# Altium PCB spin5v1_simple.PcbDoc (part 10 of 25) (continued)
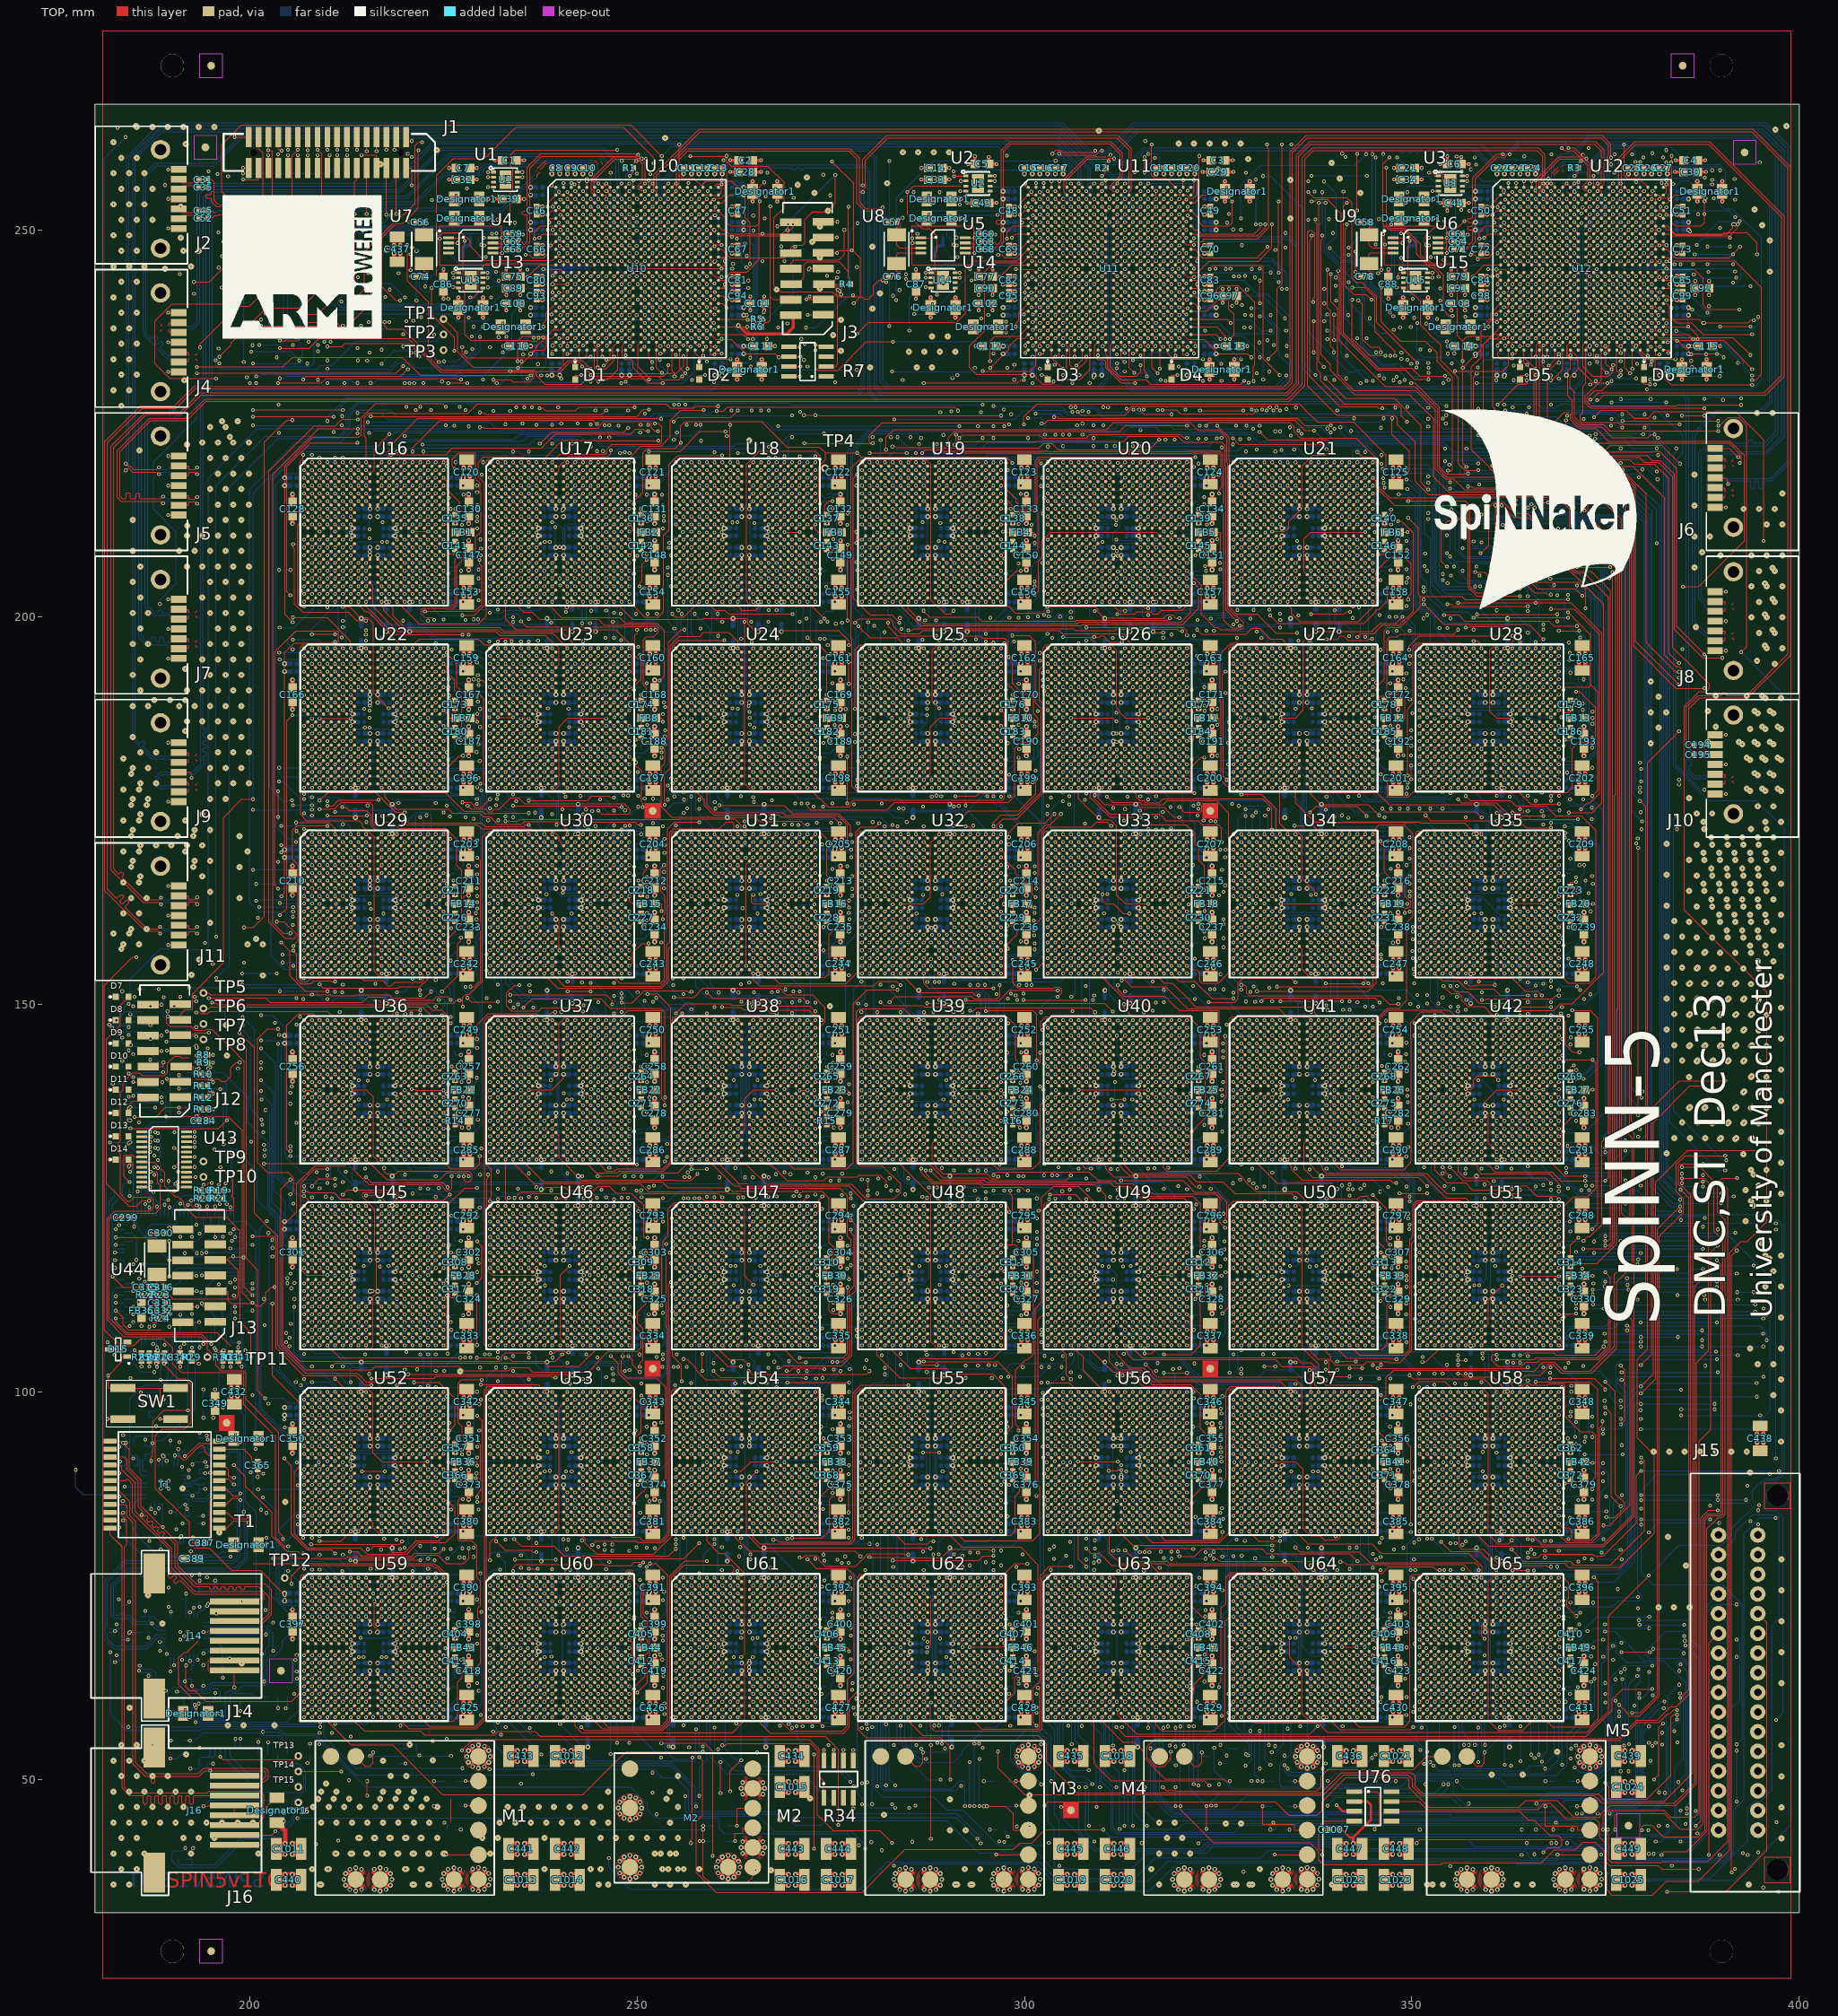
[diagram p0: TOP view]
## Nets (pads, with @x,y where several pads share a name; then routed paths per layer and width w, separated by ;. In a path a pad name is that pad's centre, name@x,y a point inside that pad or via, vN(x,y) a via of type N, cw(c..) or ccw(c..) an arc to the next point about the centre after c; other vN are vias at no path point) (continued)
  other v1: 318,83
S17_L1<7>: U56.T15 U57.C7
  other v1: 318,84 321.607,89.043 325.386,94.501 333,98
S17_L1<8>: U56.R13 U57.D5 | length 12.3
  BOTTOM w0.127: v1(316,85) 316.431,84.569 316.431,81.911 317.511,80.831 322.94,80.831 v1(324.435,79.336)
  other v1: 323.578,95.975 331,97
S17_L1<9>: U56.V12 U57.A3 | length 33.8
  TOP w0.127: v1(315,82) 316.47,80.53 325.172,80.53 326.569,81.927 326.569,100.232 326.768,100.431 328.569,100.431 v1(329,100)
S17_L1<10>: U56.U12 U57.A4
  other v1: 315,83 330,100
S17_L1<11>: U56.T12 U57.B4
  other v1: 328.464,80.78 315,84 330,99
S17_L1<12>: U56.R12 U57.C4
  other v1: 315,85 315,90.931 330,98
S17_L1<13>: U56.V13 U57.A5 | length 10
  TOP w0.127: v1(312.67,102.158) 313.834,102.158 315.307,100.685 321.093,100.685 v1(321.8,99.978)
  other v1: 316,82 331,100
S17_L1<14>: U56.U13 U57.B5 | length 11
  BOTTOM w0.127: v1(312.5,90.527) 312.299,90.527 312.059,90.287 312.059,87.246 312.362,86.943 312.362,84.003 312.934,83.431 315.569,83.431 v1(316,83)
  other v1: 331,99
S17_L1<15>: U56.T13 U57.C5 | length 7.8
  BOTTOM w0.127: v1(313.145,89.744) 314,89.744 314.508,89.236 314.508,84.876 314.953,84.431 315.569,84.431 v1(316,84)
  other v1: 331,98
S17_L2<0>: U49.R5 U56.R16 | length 32.9
  BOTTOM w0.127: 307,109 307.569,108.431 308.232,108.431 308.431,108.232 308.431,104.073 309.384,103.12 315.51,103.12 318.431,100.199 318.431,85.569 v1(319,85)
  other v1: 319,84
S17_L2<1>: U49.V3 U56.N15 | length 4.8
  TOP w0.127: v1(305,106) 305,105.25 305.431,104.819 305.431,102.2 v1(306,101.631)
  other v1: 318,87 312.507,89.313
S17_L2<2>: U49.V4 U56.N16 | length 9.5
  TOP w0.127: v1(306,106) 306.458,105.542 306.52,105.542 307.6,104.462 307.6,102.781 309.95,100.431 311.636,100.431 v1(312.067,100)
  other v1: 319,87
S17_L2<3>: U49.U4 U56.N17
  other v1: 320,87 306,107
S17_L2<4>: U49.T4 U56.N18
  other v1: 321,87 306,108
S17_L2<5>: U49.V5 U56.P16 | length 27.2
  BOTTOM w0.127: v1(307,106) 307,103.215 307.826,102.389 307.845,102.389 309.803,100.431 316.232,100.431 316.431,100.232 316.431,90.881 316.05,90.5 314.768,90.5 314.569,90.699 314.569,91.988 314.315,92.242 v1(313.715,92.242)
  other v1: 319,86
S17_L2<6>: U49.U5 U56.P17 | length 5.2
  TOP w0.127: v1(306.916,90.996) v1(312.07,90.996)
  other v1: 320,86 307,107
S17_L2<7>: U49.T5 U56.P18
  other v1: 321,86 307,108
S17_L2<8>: U49.R7 U56.V18
  other v1: 321,82 309,109
S17_L2<9>: U49.V6 U56.R17 | length 25.9
  TOP w0.127: v1(308,106) 311.411,102.589 314.861,102.589 315.75,101.7 315.75,101.638 316.449,100.939 321.47,100.939 322.74,99.669 322.74,95.244 323.366,94.618 323.366,94.388 323.684,94.07 324.707,94.07 325.342,93.435 v1(325.342,92.821)
  other v1: 320,85 308,108 307,109
S17_L2<10>: U49.U6 U56.R18
  other v1: 321,85 321.2,90.931 318,91.067 312.071,93 308,107
S17_L2<11>: U49.T6 U56.T16 | length 32.5
  BOTTOM w0.127: 308,108 307.568,107.568 307.568,104.517 309.219,102.866 314.741,102.866 315.418,102.189 315.462,102.189 317.431,100.22 317.431,84.939 317.939,84.431 318.569,84.431 319,84
S17_L2<12>: U49.R6 U56.T17
  other v1: 319.8,79.384 309.083,79.784 320,84 313.07,101.179 307.169,101.958 308,109
S17_L2<13>: U49.V7 U56.T18 | length 6.7
  TOP w0.127: v1(315.524,79.326) 315.524,79.575 315.764,79.815 321.289,79.815 321.369,79.735 v1(321.8,79.735)
  other v1: 308.973,77.958 321,84 309,106
S17_L2<14>: U49.U7 U56.U17
  other v1: 320,83 309,107
S17_L2<15>: U49.T7 U56.U18 | length 1.7
  TOP w0.127: v1(310.869,89.828) 311.967,89.828 312.059,89.92 v1(312.49,89.92)
  other v1: 321,83 309,108
S18_L0<0>: U55.R11 U56.D11
  other v1: 290,85 314,97
S18_L0<1>: U55.V10 U56.A10
  other v1: 289,82 313,100
S18_L0<2>: U55.U10 U56.B10 | length 33.4
  BOTTOM w0.127: v1(289.431,89.742) 290.307,89.742 290.561,89.996 290.561,99.171 290.958,99.568 297.345,99.568 297.516,99.739 301.25,99.739 301.558,99.431 311.178,99.431 311.609,99 v1(313,99)
  other v1: 289,83
S18_L0<3>: U55.T10 U56.C10 | length 13.1
  BOTTOM w0.127: v1(289,84) 289.432,84.432 289.432,86.05 289.813,86.431 296.05,86.431 296.431,86.812 296.431,89.045 296.828,89.442 v1(297.582,89.442)
  other v1: 312.501,92.4 313,98
S18_L0<4>: U55.R10 U56.D10
  other v1: 289,85 313,97
S18_L0<5>: U55.V11 U56.A11
  other v1: 303.223,79.644 290,82 314,100
S18_L0<6>: U55.U11 U56.B11
  other v1: 303.823,78.435 290,83 302.393,97.032 314,99
S18_L0<7>: U55.T11 U56.C11
  other v1: 290,84 314,98
S18_L0<8>: U55.R9 U56.D9
  other v1: 287,85 311,97
S18_L0<9>: U55.V8 U56.A8
  other v1: 286,82
S18_L0<10>: U55.U8 U56.B8
  other v1: 286,83 310,99
S18_L0<11>: U55.T8 U56.C8
  other v1: 286,84 310,98
S18_L0<12>: U55.R8 U56.D8
  other v1: 286,85 310,97 302.193,101.2
S18_L0<13>: U55.V9 U56.A9
  other v1: 287,82 311,100
S18_L0<14>: U55.U9 U56.B9
  other v1: 287,83 311,99
S18_L0<15>: U55.T9 U56.C9
  other v1: 287,84 311,98 302.193,99
S18_L1<0>: U49.D7 U55.V16
  other v1: 295,82 303.931,91.066 309,121 303.2,124.862 308,124.862
S18_L1<1>: U49.A6 U55.V14 | length 5.3
  TOP w0.127: v1(303.282,125.469) 306.555,125.469 307.508,124.516 307.508,124.492 v1(308,124)
  other v1: 293,82 292.4,103.411
S18_L1<2>: U49.B6 U55.U14
  other v1: 293,83 308,123
S18_L1<3>: U49.C6 U55.T14 | length 33.4
  BOTTOM w0.127: v1(291.999,104.708) 292.23,104.477 294.232,104.477 294.431,104.676 294.431,105.05 294.812,105.431 303.05,105.431 303.431,105.812 303.431,122.05 303.812,122.431 307.178,122.431 307.609,122 v1(308,122)
  other v1: 293,84
S18_L1<4>: U49.D6 U55.R14
  other v1: 293,85 301.618,120.669 308,121
S18_L1<5>: U49.A7 U55.V15 | length 59
  TOP w0.127: v1(294,82) 294.496,81.504 298.22,81.504 298.792,82.076 298.792,86.54 299.399,87.147 299.399,87.689 299.844,88.134 300.912,88.134 301.42,88.642 301.42,110.811 302.249,111.64 302.249,125.07 303.71,126.531 306.968,126.531 309,124.499 v1(309,124)
S18_L1<6>: U49.B7 U55.U15
  other v1: 294,83 312.069,111 309,123
S18_L1<7>: U49.C7 U55.T15 | length 10.3
  TOP w0.127: v1(288.8,125) 289.369,124.431 297.261,124.431 298.055,123.637 v1(298.055,123.2)
  other v1: 294,84 309,122
S18_L1<8>: U49.D5 U55.R13
  other v1: 293,79.265 305.9,80.644 292,85 307,121
S18_L1<9>: U49.A3 U55.V12 | length 57.5
  TOP w0.127: v1(291,82) 292.216,80.784 301.047,80.784 302,81.737 302,87.747 301.762,87.985 301.762,109.331 302.503,110.072 302.503,124.113 302.821,124.431 304.569,124.431 v1(305,124)
S18_L1<10>: U49.A4 U55.U12 | length 19
  BOTTOM w0.127: v1(291,83) 291.431,83.431 292.05,83.431 292.431,83.812 292.431,85.048 292.828,85.445 297.076,85.445 297.87,86.239 297.87,86.305 298.061,86.496 299.653,86.496 301.588,88.431 304.05,88.431 304.431,88.812 304.431,90.361 v1(305.001,90.931)
  other v1: 306,124
S18_L1<11>: U49.B4 U55.T12
  other v1: 291,84 294,103.411 306,123
S18_L1<12>: U49.C4 U55.R12 | length 34.3
  BOTTOM w0.127: v1(294,104.908) 293.569,105.339 292.013,105.339 291.568,104.894 291.568,104.477 291.822,104.223 295.26,104.223 296.11,105.073 304.732,105.073 305.431,105.772 305.431,121.431 v1(306,122)
  other v1: 291,85
S18_L1<13>: U49.A5 U55.V13
  other v1: 303.83,80.044 292,82 307,124
S18_L1<14>: U49.B5 U55.U13
  other v1: 292,83 305.901,90.931 307,123
S18_L1<15>: U49.C5 U55.T13 | length 58.4
  BOTTOM w0.127: 292,84 291.569,84.431 290.812,84.431 290.431,84.05 290.431,83.768 290.232,83.569 288.816,83.569 288.435,83.95 288.435,100.05 288.816,100.431 302.875,100.431 306.431,103.987 306.431,121.431 v1(307,122)
S18_L2<0>: U48.R5 U55.R16 | length 20.3
  BOTTOM w0.127: v1(280.046,90.931) 279.569,91.408 279.569,100.24 280.522,101.193 281.542,101.193 282.431,102.082 282.431,108.431 v1(283,109)
  other v1: 292,78.831 281,80.303 295,85
S18_L2<1>: U48.V3 U55.N15 | length 13.9
  TOP w0.127: v1(281,106) 281,104.725 283.921,101.804 v1(292.4,101.804)
  other v1: 294,87
S18_L2<2>: U48.V4 U55.N16
  other v1: 297.831,83.933 295,87 282,106
S18_L2<3>: U48.U4 U55.N17 | length 16.6
  TOP w0.127: v1(279.999,78.671) 283.887,78.671 283.992,78.566 289.308,78.566 290.438,79.696 295.392,79.696 295.569,79.519 v1(296,79.519)
  other v1: 296,87 282,107
S18_L2<4>: U48.T4 U55.N18
  other v1: 297,87 292,91.069 288.883,101.159 282,108
S18_L2<5>: U48.V5 U55.P16 | length 21.8
  TOP w0.127: v1(283,106) 283,105.286 285.286,103 289.898,103 290.586,102.312 295.907,102.312 297.431,100.788 297.431,96.801 297.69,96.542 v1(297.69,96.111)
  other v1: 295,86
S18_L2<6>: U48.U5 U55.P17
  other v1: 296,86 295.8,101.804 283,107
S18_L2<7>: U48.T5 U55.P18
  other v1: 297,86 283,108
S18_L2<8>: U48.R7 U55.V18
  other v1: 288.262,78.997 297,79.519 297,82 285,109
S18_L2<9>: U48.V6 U55.R17 | length 35.7
  BOTTOM w0.127: v1(284,106) 284.631,105.369 284.686,105.369 284.94,105.115 284.94,103.508 285.448,103 287.632,103 287.831,102.801 287.831,83.522 288.784,82.569 293.232,82.569 293.431,82.768 293.431,84.05 293.812,84.431 295.431,84.431 296,85
  other v1: 297,108
S18_L2<10>: U48.U6 U55.R18
  other v1: 297,85 291,91.067 292.8,104.908 284,107
S18_L2<11>: U48.T6 U55.T16
  other v1: 295,84 284.066,90.931 284,108
S18_L2<12>: U48.R6 U55.T17 | length 13.2
  TOP w0.127: v1(283,78.24) 294.134,78.24 294.729,78.835 v1(296,78.835)
  other v1: 296,84 284,109
S18_L2<13>: U48.V7 U55.T18 | length 9.1
  BOTTOM w0.127: v1(290.917,79.042) 292.524,80.649 295.288,80.649 296.431,81.792 296.431,83.431 v1(297,84)
  other v1: 285,106
S18_L2<14>: U48.U7 U55.U17 | length 10
  BOTTOM w0.127: v1(288.934,79.042) 288.934,80.577 289.76,81.403 295.034,81.403 295.431,81.8 295.431,82.431 v1(296,83)
  other v1: 285,107
S18_L2<15>: U48.T7 U55.U18 | length 21.8
  TOP w0.127: v1(286.999,103.912) 296.581,103.912 298.486,102.007 298.486,95.513 297.607,94.634 v1(297.607,92.825)
  other v1: 297,83 285,108
S19_L0<0>: U54.R11 U55.D11 | length 33.2
  TOP w0.127: v1(265.431,89.742) 264.109,88.42 264.109,81.65 265.887,79.872 287.364,79.872 287.431,79.805 v1(287.862,79.805)
  other v1: 266,85 290,97
S19_L0<1>: U54.V10 U55.A10 | length 44.6
  TOP w0.127: v1(265,82) 265,81.177 265.794,80.383 277.55,80.383 278.122,80.955 278.122,99.732 278.821,100.431 288.569,100.431 v1(289,100)
S19_L0<2>: U54.U10 U55.B10 | length 15.6
  TOP w0.127: v1(271,78.597) 271.431,78.597 271.714,78.88 273.177,78.88 273.431,78.626 273.431,78.3 274.257,77.474 278.171,77.474 279.568,78.871 279.568,78.903 279.767,79.102 284.464,79.102 284.569,78.997 v1(285,78.997)
  other v1: 265,83 289,99
S19_L0<3>: U54.T10 U55.C10
  other v1: 265,84 289,98
S19_L0<4>: U54.R10 U55.D10
  other v1: 265,85 277.342,88.042 282,91.069 289,97
S19_L0<5>: U54.V11 U55.A11
  other v1: 266,82 283,91.067 290,100
S19_L0<6>: U54.U11 U55.B11
  other v1: 269.393,81.068 266,83 290,99
S19_L0<7>: U54.T11 U55.C11
  other v1: 290.917,77.44 274.062,78.997 266,84 290,98
S19_L0<8>: U54.R9 U55.D9 | length 6.8
  BOTTOM w0.127: v1(268,101.214) 268.755,101.214 269.183,100.786 273.387,100.786 273.959,101.358 v1(273.959,101.817)
  other v1: 263,85 287,97
S19_L0<9>: U54.V8 U55.A8 | length 18.2
  TOP w0.127: v1(262,82) 262.597,81.403 262.624,81.403 262.751,81.276 262.751,81.154 264.466,79.439 278.149,79.439 v1(278.826,78.762)
  other v1: 261,82 277.437,97.4 287,99 286,100
S19_L0<10>: U54.U8 U55.B8
  other v1: 273,78.424 262,83 275.252,88.984 286,99
S19_L0<11>: U54.T8 U55.C8 | length 7.4
  BOTTOM w0.127: v1(262,84) 262.431,84.431 263.226,84.431 264.369,83.288 264.369,79.7 264.63,79.439 v1(264.63,79.008)
  other v1: 286.917,79.397 286,98
S19_L0<12>: U54.R8 U55.D8 | length 8
  TOP w0.127: v1(269.4,101.217) v1(277.377,101.217)
  other v1: 262,85 286,97
S19_L0<13>: U54.V9 U55.A9
  other v1: 263,82 287,100
S19_L0<14>: U54.U9 U55.B9 | length 41
  TOP w0.127: v1(267.6,80.907) 268.031,80.907 268.301,80.637 277.423,80.637 277.868,81.082 277.868,99.846 278.884,100.862 v1(285,100.862)
  BOTTOM w0.127: v1(285,100.862) 285.431,100.431 287.178,100.431 287.432,100.177 287.432,99.432 287,99
  other v1: 263,83
S19_L0<15>: U54.T9 U55.C9
  other v1: 263.306,79.983 286.672,80.972 263,84 287,98
S19_L1<0>: U48.D7 U54.V16
  other v1: 271,82 285,121
S19_L1<1>: U48.A6 U54.V14 | length 11.2
  BOTTOM w0.127: v1(269,82) 269.432,82.432 269.432,83.05 269.813,83.431 273.232,83.431 273.431,83.232 273.431,81.831 273.828,81.434 276.03,81.434 276.796,82.2 v1(277.317,82.2)
  other v1: 281,114.931 284,124
S19_L1<2>: U48.B6 U54.U14 | length 15
  TOP w0.127: v1(271,104.406) 276.659,104.406 277.167,104.914 v1(277.167,113.509)
  other v1: 269,83 284,123
S19_L1<3>: U48.C6 U54.T14 | length 53
  TOP w0.127: v1(277.317,84.431) v1(277.317,87.431)
  BOTTOM w0.127: v1(269,84) 269.431,84.431 v1(277.317,84.431) ; v1(277.317,87.431) 280.078,87.431 280.523,87.876 280.523,99.177 280.777,99.431 283.05,99.431 283.431,99.812 283.431,113.232 283.232,113.431 282.95,113.431 282.569,113.812 282.569,121.232 282.768,121.431 283.431,121.431 v1(284,122)
S19_L1<4>: U48.D6 U54.R14
  other v1: 274,84.862 269,85 281.431,105.544 284,121
S19_L1<5>: U48.A7 U54.V15 | length 10.3
  TOP w0.127: v1(270,81.138) 273.864,81.138 274.817,82.091 274.817,86.109 275.247,86.539 v1(275.247,86.97)
  other v1: 270,82 277.581,116.347 285,124
S19_L1<6>: U48.B7 U54.U15 | length 8.4
  BOTTOM w0.127: v1(270,83) 270.431,82.569 270.431,81.942 271.193,81.18 v1(277.317,81.18)
  other v1: 278.569,109.43 285,123
S19_L1<7>: U48.C7 U54.T15
  other v1: 270,84 285,122
S19_L1<8>: U48.D5 U54.R13
  other v1: 268,85 275.227,103.883 277.133,115.917 283,121
S19_L1<9>: U48.A3 U54.V12 | length 23
  TOP w0.127: v1(267,82) 267.431,81.569 273.232,81.569 273.431,81.768 273.431,86.243 274.765,87.577 v1(275.247,87.577)
  BOTTOM w0.127: v1(280,114.931) 280.431,115.362 280.431,123.431 v1(281,124)
S19_L1<10>: U48.A4 U54.U12 | length 14.5
  BOTTOM w0.127: v1(267,83) 267.431,82.569 267.431,81.938 268.031,81.338 268.031,81.336 268.984,80.383 v1(280,80.383)
  other v1: 281.6,104.744 282,124
S19_L1<11>: U48.B4 U54.T12 | length 28.2
  TOP w0.127: v1(268.2,103.097) 268.631,103.097 268.901,103.367 276.425,103.367 277.759,104.701 277.759,112.571 278.266,113.078 278.266,121.522 v1(277.596,122.192)
  other v1: 267,84 282,123
S19_L1<12>: U48.C4 U54.R12 | length 28.4
  BOTTOM w0.127: v1(269.6,103.959) 270.732,105.091 276.48,105.091 277.82,106.431 281.05,106.431 281.431,106.812 281.431,121.431 v1(282,122)
  other v1: 267,85
S19_L1<13>: U48.A5 U54.V13
  other v1: 268,82 283,124
S19_L1<14>: U48.B5 U54.U13
  other v1: 268,83 283,123
S19_L1<15>: U48.C5 U54.T13 | length 13.9
  BOTTOM w0.127: v1(268,84) 268.431,83.569 268.431,81.399 269.193,80.637 278.487,80.637 v1(279,81.15)
  other v1: 279.393,103.082 282,103.082 283,122
S19_L2<0>: U47.R5 U54.R16
  other v1: 271,85 259,109
S19_L2<1>: U47.V3 U54.N15
  other v1: 270,87 257,106
S19_L2<2>: U47.V4 U54.N16
  other v1: 271,87 258,106
S19_L2<3>: U47.U4 U54.N17 | length 34.7
  BOTTOM w0.127: v1(258,107) 258,106.609 257.569,106.178 257.569,99.768 257.768,99.569 258.055,99.569 258.5,99.124 258.5,86.886 258.818,86.568 271.568,86.568 v1(272,87)
S19_L2<4>: U47.T4 U54.N18 | length 36.6
  TOP w0.127: v1(262.702,89.742) 263.431,89.742 264.693,91.004 v1(268,91.004)
  BOTTOM w0.127: v1(258,108) 258.432,107.568 258.432,105.611 259,105.043 259,100.609 259.431,100.178 259.431,89.95 259.812,89.569 262.098,89.569 262.271,89.742 v1(262.702,89.742) ; v1(268,91.004) 268.431,91.004 268.789,91.362 269.367,91.362 269.495,91.234 274.983,91.234 275.237,91.488 v1(275.237,92.592)
  other v1: 273,87
S19_L2<5>: U47.V5 U54.P16 | length 5.5
  TOP w0.127: v1(259,106) 261.703,103.297 v1(263.4,103.297)
  other v1: 271,86
S19_L2<6>: U47.U5 U54.P17 | length 12.3
  TOP w0.127: v1(259.863,102.697) 260.717,101.843 271.298,101.843 271.37,101.771 v1(271.801,101.771)
  other v1: 272,86 259,107
S19_L2<7>: U47.T5 U54.P18 | length 33
  BOTTOM w0.127: v1(259,108) 259.432,107.568 259.432,102.324 260.639,101.117 260.669,101.117 261.495,100.291 261.495,94.884 261.813,94.566 263.24,94.566 263.939,93.867 263.939,88.257 264.765,87.431 272.232,87.431 272.431,87.232 272.431,86.569 273,86
S19_L2<8>: U47.R7 U54.V18 | length 23.9
  BOTTOM w0.127: v1(266.675,101.158) 266.741,101.224 266.741,101.63 267.313,102.202 272.045,102.202 272.839,102.996 272.839,103.044 274.363,104.568 276.471,104.568 277.868,103.171 277.868,95.487 277.55,95.169 v1(275.247,95.169)
  other v1: 273,82 261,109
S19_L2<9>: U47.V6 U54.R17 | length 5.4
  TOP w0.127: v1(260,106) 261.841,104.159 263.738,104.159 v1(264.4,103.497)
  other v1: 272,85 269,90.931
S19_L2<10>: U47.U6 U54.R18
  other v1: 273,85 260,107
S19_L2<11>: U47.T6 U54.T16 | length 30.5
  BOTTOM w0.127: 260,108 260.431,108.431 260.431,114.05 260.812,114.431 260.986,114.431 261.431,114.876 261.431,118.169 261.828,118.566 263.232,118.566 263.431,118.367 263.431,104.165 263.907,103.689 v1(263.907,101.194)
  other v1: 271,84
S19_L2<12>: U47.R6 U54.T17 | length 8.4
  TOP w0.127: v1(256,104.24) 256.445,104.24 257.652,103.033 257.652,102.796 258.859,101.589 262.601,101.589 262.672,101.518 v1(262.672,101.079)
  other v1: 272,84 260,109 254.569,110.43
S19_L2<13>: U47.V7 U54.T18 | length 11.7
  TOP w0.127: v1(261,106) 261.597,105.403 269.078,105.403 270.285,104.196 ; 270.285,104.195 270.682,103.798 v1(271.8,103.798)
  other v1: 273,84
S19_L2<14>: U47.U7 U54.U17
  other v1: 272,83 261,107
S19_L2<15>: U47.T7 U54.U18
  other v1: 273,83 264.669,101.18 261,108
S20_L0<0>: U53.R11 U54.D11
  other v1: 242,85 241.545,89.742 248,90.931 262.067,92.242 266,97
S20_L0<1>: U53.V10 U54.A10
  other v1: 241,82 265,100
S20_L0<2>: U53.U10 U54.B10
  other v1: 241,83 250.9,83.775 265,99
S20_L0<3>: U53.T10 U54.C10
  other v1: 263.178,78.754 254.999,80.968 241,84 265,98
S20_L0<4>: U53.R10 U54.D10 | length 21
  BOTTOM w0.127: v1(240.487,80.969) 240.487,80.538 240.486,80.537 240.486,79.501 240.867,79.12 246.049,79.12 246.108,79.061 252.102,79.061 252.896,79.855 252.896,84.62 252.769,84.747 252.723,84.747 v1(251.578,85.892)
  other v1: 241,85 265,97
S20_L0<5>: U53.V11 U54.A11 | length 45.5
  TOP w0.127: v1(242,82) 242.597,81.403 242.922,81.403 243.303,81.022 243.303,80.522 244.764,79.061 252.15,79.061 254.436,81.347 254.436,100.05 254.817,100.431 265.569,100.431 v1(266,100)
S20_L0<6>: U53.U11 U54.B11 | length 9
  BOTTOM w0.127: v1(242,83) 242.566,83.566 249.558,83.566 v1(250.392,84.4)
  other v1: 261,90.965 266,99
S20_L0<7>: U53.T11 U54.C11
  other v1: 242,84 266,98
S20_L0<8>: U53.R9 U54.D9
  other v1: 239,85 251.227,86.558 263,97
S20_L0<9>: U53.V8 U54.A8
  other v1: 238,82 262,100
S20_L0<10>: U53.U8 U54.B8
  other v1: 238,83 240.831,89.742 262,99
S20_L0<11>: U53.T8 U54.C8
  other v1: 238,84 262,98
S20_L0<12>: U53.R8 U54.D8
  other v1: 238,85 262,97
S20_L0<13>: U53.V9 U54.A9
  other v1: 239,82 252.922,85.892 263,100
S20_L0<14>: U53.U9 U54.B9 | length 15.7
  TOP w0.127: v1(243.171,78.376) 243.602,78.376 243.712,78.486 256.027,78.486 v1(258,80.459)
  other v1: 239,83 263,99
S20_L0<15>: U53.T9 U54.C9 | length 8.8
  BOTTOM w0.127: v1(242.872,80.842) 250.315,80.842 v1(251.255,79.902)
  other v1: 239,84 263,98
S20_L1<0>: U47.D7 U53.V16
  other v1: 247,82 253.167,111.2 261,121
S20_L1<1>: U47.A6 U53.V14
  other v1: 245,82 253.072,107.222 260,124
S20_L1<2>: U47.B6 U53.U14 | length 2.7
  TOP w0.127: v1(248.862,104.639) 249.438,104.063 249.438,103.466 v1(250.345,102.559)
  other v1: 245,83 260,123
S20_L1<3>: U47.C6 U53.T14
  other v1: 252.262,79.843 245,84 249.773,94.999 260,122
S20_L1<4>: U47.D6 U53.R14 | length 12.1
  BOTTOM w0.127: v1(245,85) 245.445,85.445 249.113,85.445 249.431,85.763 249.431,88.134 250.038,88.741 250.038,89.506 249.909,89.635 249.909,90.702 250.227,91.02 250.822,91.02 251.267,91.465 v1(251.267,91.917)
  other v1: 249,82 255.311,103.237 260,121
S20_L1<5>: U47.A7 U53.V15 | length 58.8
  TOP w0.127: v1(246,82) 246.76,81.24 250.282,81.24 250.738,80.784 253.039,80.784 253.928,81.673 253.928,108.149 253.747,108.33 253.747,118.038 253.33,118.455 253.33,119.536 254.003,120.209 254.003,123.637 254.797,124.431 260.569,124.431 v1(261,124)
S20_L1<6>: U47.B7 U53.U15
  other v1: 246,83 245.999,101.901 256.4,103.238 261,123
S20_L1<7>: U47.C7 U53.T15 | length 32.5
  BOTTOM w0.127: v1(246.9,102.301) 247.516,102.301 247.715,102.102 247.715,102.079 248.112,101.682 253.189,101.682 254.015,102.508 254.015,110.637 254.809,111.431 256.05,111.431 256.431,111.812 256.431,116.05 256.812,116.431 259.05,116.431 259.431,116.812 259.431,121.05 259.812,121.431 260.431,121.431 v1(261,122)
  other v1: 246,84
S20_L1<8>: U47.D5 U53.R13 | length 35.1
  BOTTOM w0.127: v1(240.068,106) 240.068,105.569 239.899,105.4 239.899,104.214 240.979,103.134 242.97,103.134 243.789,103.953 248.796,103.953 249.431,104.588 249.431,107.566 251.051,109.186 251.051,110.529 253.254,112.732 253.254,119.224 254.461,120.431 258.431,120.431 v1(259,121)
  other v1: 244,85
S20_L1<9>: U47.A3 U53.V12 | length 28.6
  BOTTOM w0.127: v1(243.6,101.671) 243.6,102.238 244.807,103.445 247.016,103.445 247.969,102.492 247.969,102.444 248.477,101.936 253.062,101.936 253.761,102.635 v1(253.761,119.105)
  other v1: 243,82 257,124
S20_L1<10>: U47.A4 U53.U12
  other v1: 243,83 258,124
S20_L1<11>: U47.B4 U53.T12
  other v1: 243,84 253.122,96.042 258.901,114.931 258,123
S20_L1<12>: U47.C4 U53.R12 | length 68
  BOTTOM w0.127: v1(243,85) 242.569,85.431 240.934,85.431 239.918,86.447 239.918,97.732 239.219,98.431 232.95,98.431 232.569,98.812 232.569,108.188 232.95,108.569 236.232,108.569 236.431,108.768 236.431,109.05 236.812,109.431 247.05,109.431 247.431,109.812 247.431,114.067 248.13,114.766 251.666,114.766 253,116.1 253,119.653 254.778,121.431 257.431,121.431 v1(258,122)
S20_L1<13>: U47.A5 U53.V13 | length 2.8
  BOTTOM w0.127: v1(256.6,125) 257.029,124.571 258.429,124.571 v1(259,124)
  other v1: 260,80.972 244,82
S20_L1<14>: U47.B5 U53.U13
  other v1: 244,83 253.318,122 259,123
S20_L1<15>: U47.C5 U53.T13 | length 43.5
  TOP w0.127: v1(244.2,80.242) 244.69,80.732 249.901,80.732 250.103,80.53 253.166,80.53 254.182,81.546 254.182,108.426 254.049,108.559 254.049,113.85 v1(254.376,114.177)
  other v1: 244,84 259,122
S20_L2<0>: U46.R5 U53.R16 | length 30.3
  TOP w0.127: v1(229.334,96.935) 230.042,96.227 230.042,86.047 229.788,85.793 v1(229.351,85.793)
  BOTTOM w0.127: v1(229.351,85.793) 230.204,84.94 230.204,84.886 230.522,84.568 246.568,84.568 v1(247,85)
  other v1: 235,109
S20_L2<1>: U46.V3 U53.N15 | length 7.8
  TOP w0.127: v1(233,104.372) 233.431,104.372 233.823,103.98 239.467,103.98 v1(240.33,104.843)
  other v1: 245.8,80.301 246,87 233,106
S20_L2<2>: U46.V4 U53.N16 | length 6.5
  BOTTOM w0.127: v1(234,106) 234.527,105.473 239.026,105.473 239.28,105.219 239.28,104.63 v1(239.061,104.411)
  other v1: 247,87 241.545,92.242
S20_L2<3>: U46.U4 U53.N17
  other v1: 248,87 244,91.067 244.862,104.44 234,107
S20_L2<4>: U46.T4 U53.N18 | length 26.2
  BOTTOM w0.127: v1(236,101.588) 237.157,100.431 242.18,100.431 242.561,100.05 242.561,87.823 242.879,87.505 248.495,87.505 v1(249,87)
  other v1: 243,90 243,92 238,100 234,108
S20_L2<5>: U46.V5 U53.P16
  other v1: 228.865,79.892 246.8,80.301 247,86 235,106
S20_L2<6>: U46.U5 U53.P17
  other v1: 246,77.128 235,77.269 248,86 235,107
S20_L2<7>: U46.T5 U53.P18 | length 29.3
  BOTTOM w0.127: v1(234,102.704) 235.5,101.204 235.5,99.876 235.945,99.431 239.219,99.431 240.172,98.478 240.172,87.193 240.934,86.431 248.569,86.431 v1(249,86)
  other v1: 241,87 241,95 235,108
S20_L2<8>: U46.R7 U53.V18 | length 45.4
  TOP w0.127: v1(248.135,104.639) 248.135,104.208 247.969,104.042 247.969,102.484 248.668,101.785 252.467,101.785 253.674,100.578 253.674,88.882 252.658,87.866 251.469,87.866 250.846,87.243 250.828,87.243 249.431,85.846 249.431,82.431 249,82
  BOTTOM w0.127: v1(237,109) 237.569,108.431 248.232,108.431 248.431,108.232 248.431,105.366 248.135,105.07 v1(248.135,104.639)
S20_L2<9>: U46.V6 U53.R17
  other v1: 245.8,79.622 248,85 238.067,89.742 236,106
S20_L2<10>: U46.U6 U53.R18
  other v1: 249,85 236,107
S20_L2<11>: U46.T6 U53.T16
  other v1: 247,84 246.9,101.5 236,108
S20_L2<12>: U46.R6 U53.T17 | length 16.9
  BOTTOM w0.127: v1(236,109) 235.568,109.432 235.568,111.177 235.822,111.431 246.05,111.431 246.431,111.812 246.431,114.451 v1(247,115.02)
  other v1: 248,84 245,91
S20_L2<13>: U46.V7 U53.T18
  other v1: 249,84 248.4,102.699 237,106
S20_L2<14>: U46.U7 U53.U17 | length 8.1
  BOTTOM w0.127: v1(241.094,80.907) 241.59,81.403 247.034,81.403 247.431,81.8 247.431,82.431 v1(248,83)
  other v1: 237,107
S20_L2<15>: U46.T7 U53.U18
  other v1: 263.43,81.115 249,83 263,92.258 256.967,101.159 237,108
S21_L0<0>: U46.R11 U47.D11
  other v1: 242,109 254.48,113.57 266,121 250.507,126.02
S21_L0<1>: U46.V10 U47.A10 | length 10.4
  TOP w0.127: U46.V10@240.5,106.5 240.109,106.891 240.109,115.094 v1(241.273,116.258)
  other v1: 241,106 254.376,116.6 265,124 243.089,125
S21_L0<2>: U46.U10 U47.B10 | length 10.3
  BOTTOM w0.127: v1(241,107) 241.569,106.431 243.232,106.431 243.431,106.232 v1(243.431,104.841) ; v1(252.53,104.523) 252.53,105.283 253.503,106.256 253.503,109.582 253.316,109.769 v1(253.316,110.2)
  other v1: 262.067,116.242 265,123
S21_L0<3>: U46.T10 U47.C10 | length 11.6
  BOTTOM w0.127: v1(255.993,125.001) 255.993,125.462 256.12,125.589 259.232,125.589 259.431,125.39 259.431,125.066 260.066,124.431 263.24,124.431 264.447,123.224 264.447,122.553 v1(265,122)
  other v1: 250.545,101.1 240.897,101.558 241,108
S21_L0<4>: U46.R10 U47.D10
  other v1: 241,109 260,114.965 265,121
S21_L0<5>: U46.V11 U47.A11
  other v1: 266.917,104.841
S21_L0<6>: U46.U11 U47.B11
  other v1: 266.917,103.097 242,107 266,123
S21_L0<7>: U46.T11 U47.C11
  other v1: 264.069,106 242,108 266,122
S21_L0<8>: U46.R9 U47.D9 | length 8.6
  TOP w0.127: v1(254.569,109.43) 254.569,104.624 255.522,103.671 255.543,103.671 255.742,103.472 v1(255.742,101.359)
  other v1: 239,109 263,121
S21_L0<9>: U46.V8 U47.A8
  other v1: 238,106 262,124
S21_L0<10>: U46.U8 U47.B8
  other v1: 238,107 262,123
S21_L0<11>: U46.T8 U47.C8
  other v1: 238,108 262,122
S21_L0<12>: U46.R8 U47.D8
  other v1: 238,109 262,121
S21_L0<13>: U46.V9 U47.A9
  other v1: 239,106 263,124
S21_L0<14>: U46.U9 U47.B9
  other v1: 239,107 263,123
S21_L0<15>: U46.T9 U47.C9 | length 11.7
  BOTTOM w0.127: v1(257,114.999) 257.431,115.43 260.05,115.43 260.431,115.811 260.431,119.05 260.812,119.431 262.05,119.431 262.431,119.812 262.431,121.431 v1(263,122)
  other v1: 253.33,104.224 239,108
S21_L1<0>: U37.D7 U46.V16
  other v1: 247,106 237,145
S21_L1<1>: U37.A6 U46.V14
  other v1: 245,106 235,125.001 236,148
S21_L1<2>: U37.B6 U46.U14 | length 8.7
  TOP w0.127: v1(238.849,105.018) 239.28,105.018 239.536,105.274 240.527,105.274 240.699,105.102 v1(241.13,105.102)
  BOTTOM w0.127: v1(241.13,105.102) 241.431,105.403 242.233,105.403 242.995,104.641 242.995,104.609 243.194,104.41 243.637,104.41 244.431,105.204 244.431,106.431 v1(245,107)
  other v1: 242,106 234.6,126.222 236,147
S21_L1<3>: U37.C6 U46.T14
  other v1: 245,108 240.913,137.742 236,146
S21_L1<4>: U37.D6 U46.R14 | length 23.3
  TOP w0.127: v1(234.171,125.031) 234.931,125.791 235.259,125.791 235.311,125.843 237.635,125.843 238.243,126.451 240.648,126.451 241.095,126.004 244.43,126.004 244.973,126.547 246.416,126.547 247.277,125.686 249.231,125.686 250.232,124.685 250.283,124.685 250.855,124.113 250.855,119.998 250.926,119.927 v1(251.37,119.927)
  other v1: 245,109 236,145
S21_L1<5>: U37.A7 U46.V15
  other v1: 246,106 237,148
S21_L1<6>: U37.B7 U46.U15
  other v1: 246,107 237,147
S21_L1<7>: U37.C7 U46.T15
  other v1: 246,108 237,146
S21_L1<8>: U37.D5 U46.R13 | length 1.3
  TOP w0.127: v1(239.531,125) v1(240.8,125)
  other v1: 244,109 235,145
S21_L1<9>: U37.A3 U46.V12
  other v1: 243,106 233,148
S21_L1<10>: U37.A4 U46.U12
  other v1: 241,103.765 243,107 234,148
S21_L1<11>: U37.B4 U46.T12
  other v1: 243,108 240.513,138.549 234,147
S21_L1<12>: U37.C4 U46.R12
  other v1: 243,109 245.901,114.931 240.513,137.135 234,146
S21_L1<13>: U37.A5 U46.V13 | length 61.1
  TOP w0.127: v1(235,148) 234.569,148.431 230.76,148.431 230.315,147.986 230.315,106.014 230.76,105.569 243.569,105.569 v1(244,106)
S21_L1<14>: U37.B5 U46.U13
  other v1: 244,107 235,147
S21_L1<15>: U37.C5 U46.T13 | length 9.2
  TOP w0.127: v1(236,125.158) 236.431,125.589 244.273,125.589 v1(244.8,125.062)
  other v1: 244,108 235,146
S21_L2<0>: U36.R5 U46.R16 | length 36.4
  BOTTOM w0.127: 211,133 210.568,133.432 210.568,148.177 210.822,148.431 218.232,148.431 218.431,148.232 218.431,147.95 218.812,147.569 222.232,147.569 222.431,147.768 222.431,148.085 223.638,149.292 224.596,149.292 225.231,149.927 225.231,150.446 223.58,152.097 222.605,152.097 222.381,151.873 v1(221.95,151.873)
  other v1: 247,109 236.175,151.709
S21_L2<1>: U36.V3 U46.N15 | length 7.4
  TOP w0.127: v1(201.817,129.463) 208.463,129.463 v1(209,130)
  other v1: 246,111
S21_L2<2>: U36.V4 U46.N16
  other v1: 247,111 246.4,128.961 210,130
S21_L2<3>: U36.U4 U46.N17
  other v1: 248,111 242.917,127.822 210,131
S21_L2<4>: U36.T4 U46.N18
  other v1: 249,111 210,132

## Text inside footprints (layer, text, board x,y; h text height)
U22: PIN_NUMBER "J17" at 223.166,187.5 h0.24; PIN_NUMBER "M17" at 223.166,184.5 h0.24; PIN_NUMBER "M18" at 224.166,184.5 h0.24; PIN_NUMBER "J18" at 224.166,187.5 h0.24; PIN_NUMBER "C16" at 222.166,193.5 h0.24; PIN_NUMBER "G17" at 223.166,189.5 h0.24; PIN_NUMBER "B18" at 224.166,194.5 h0.24; PIN_NUMBER "G16" at 222.166,189.5 h0.24; PIN_NUMBER "J16" at 222.166,187.5 h0.24; PIN_NUMBER "C17" at 223.166,193.5 h0.24; PIN_NUMBER "C18" at 224.166,193.5 h0.24; PIN_NUMBER "D16" at 222.166,192.5 h0.24; PIN_NUMBER "K15" at 221.166,186.5 h0.24; PIN_NUMBER "K16" at 222.166,186.5 h0.24; PIN_NUMBER "E18" at 224.166,191.5 h0.24; PIN_NUMBER "F16" at 222.166,190.5 h0.24; PIN_NUMBER "M16" at 222.166,184.5 h0.24; PIN_NUMBER "P14" at 220.166,182.5 h0.24; PIN_NUMBER "N13" at 219.166,183.5 h0.24; PIN_NUMBER "N14" at 220.166,183.5 h0.24; PIN_NUMBER "M12" at 218.166,184.5 h0.24; PIN_NUMBER "M13" at 219.166,184.5 h0.24; PIN_NUMBER "M14" at 220.166,184.5 h0.24; PIN_NUMBER "H12" at 218.166,188.5 h0.24; PIN_NUMBER "H13" at 219.166,188.5 h0.24; PIN_NUMBER "H14" at 220.166,188.5 h0.24; PIN_NUMBER "E7" at 212.854,191.5 h0.24; PIN_NUMBER "F7" at 212.854,190.5 h0.24; PIN_NUMBER "E8" at 213.854,191.5 h0.24; PIN_NUMBER "F8" at 213.854,190.5 h0.24; PIN_NUMBER "L5" at 210.854,185.5 h0.24; PIN_NUMBER "L7" at 212.854,185.5 h0.24; PIN_NUMBER "G7" at 212.854,189.5 h0.24; PIN_NUMBER "G5" at 210.854,189.5 h0.24; PIN_NUMBER "F5" at 210.854,190.5 h0.24; PIN_NUMBER "E5" at 210.854,191.5 h0.24; PIN_NUMBER "P11" at 217.166,182.5 h0.24; PIN_NUMBER "N11" at 217.166,183.5 h0.24; PIN_NUMBER "P12" at 218.166,182.5 h0.24; PIN_NUMBER "N12" at 218.166,183.5 h0.24; PIN_NUMBER "P13" at 219.166,182.5 h0.24; PIN_NUMBER "E6" at 211.854,191.5 h0.24; PIN_NUMBER "L6" at 211.854,185.5 h0.24; PIN_NUMBER "G6" at 211.854,189.5 h0.24; PIN_NUMBER "F6" at 211.854,190.5 h0.24; PIN_NUMBER "K12" at 218.166,186.5 h0.24; PIN_NUMBER "K13" at 219.166,186.5 h0.24; PIN_NUMBER "K14" at 220.166,186.5 h0.24; PIN_NUMBER "E10" at 215.936,191.5 h0.24; PIN_NUMBER "F10" at 215.936,190.5 h0.24; PIN_NUMBER "J5" at 210.854,187.5 h0.24; PIN_NUMBER "J7" at 212.854,187.5 h0.24; PIN_NUMBER "N9" at 214.854,183.5 h0.24; PIN_NUMBER "P9" at 214.854,182.5 h0.24; PIN_NUMBER "J6" at 211.854,187.5 h0.24; PIN_NUMBER "C13" at 219.166,193.5 h0.24; PIN_NUMBER "B13" at 219.166,194.5 h0.24; PIN_NUMBER "A13" at 219.166,195.5 h0.24; PIN_NUMBER "D14" at 220.166,192.5 h0.24; PIN_NUMBER "C14" at 220.166,193.5 h0.24; PIN_NUMBER "B14" at 220.166,194.5 h0.24; PIN_NUMBER "A14" at 220.166,195.5 h0.24; PIN_NUMBER "K17" at 223.166,186.5 h0.24; PIN_NUMBER "K18" at 224.166,186.5 h0.24; PIN_NUMBER "L15" at 221.166,185.5 h0.24; PIN_NUMBER "L16" at 222.166,185.5 h0.24; PIN_NUMBER "A8" at 213.854,195.5 h0.24; PIN_NUMBER "D9" at 214.854,192.5 h0.24; PIN_NUMBER "C11" at 217.166,193.5 h0.24; PIN_NUMBER "B11" at 217.166,194.5 h0.24; PIN_NUMBER "A11" at 217.166,195.5 h0.24; PIN_NUMBER "D10" at 215.936,192.5 h0.24; PIN_NUMBER "C10" at 215.936,193.5 h0.24; PIN_NUMBER "B10" at 215.936,194.5 h0.24; PIN_NUMBER "A10" at 215.936,195.5 h0.24; PIN_NUMBER "C9" at 214.854,193.5 h0.24; PIN_NUMBER "B9" at 214.854,194.5 h0.24; PIN_NUMBER "A9" at 214.854,195.5 h0.24; PIN_NUMBER "D8" at 213.854,192.5 h0.24; PIN_NUMBER "C8" at 213.854,193.5 h0.24; PIN_NUMBER "B8" at 213.854,194.5 h0.24; PIN_NUMBER "D11" at 217.166,192.5 h0.24; PIN_NUMBER "R17" at 223.166,181.5 h0.24; PIN_NUMBER "V18" at 224.166,178.5 h0.24; PIN_NUMBER "P18" at 224.166,182.5 h0.24; PIN_NUMBER "P17" at 223.166,182.5 h0.24; PIN_NUMBER "P16" at 222.166,182.5 h0.24; PIN_NUMBER "N18" at 224.166,183.5 h0.24; PIN_NUMBER "N17" at 223.166,183.5 h0.24; PIN_NUMBER "N16" at 222.166,183.5 h0.24; PIN_NUMBER "N15" at 221.166,183.5 h0.24; PIN_NUMBER "U18" at 224.166,179.5 h0.24; PIN_NUMBER "U17" at 223.166,179.5 h0.24; PIN_NUMBER "T18" at 224.166,180.5 h0.24; PIN_NUMBER "T17" at 223.166,180.5 h0.24; PIN_NUMBER "T16" at 222.166,180.5 h0.24; PIN_NUMBER "R18" at 224.166,181.5 h0.24; PIN_NUMBER "R16" at 222.166,181.5 h0.24; PIN_NUMBER "V12" at 218.166,178.5 h0.24; PIN_NUMBER "R13" at 219.166,181.5 h0.24; PIN_NUMBER "T15" at 221.166,180.5 h0.24; PIN_NUMBER "U15" at 221.166,179.5 h0.24; PIN_NUMBER "V15" at 221.166,178.5 h0.24; PIN_NUMBER "R14" at 220.166,181.5 h0.24; PIN_NUMBER "T14" at 220.166,180.5 h0.24; PIN_NUMBER "U14" at 220.166,179.5 h0.24; PIN_NUMBER "V14" at 220.166,178.5 h0.24; PIN_NUMBER "T13" at 219.166,180.5 h0.24; PIN_NUMBER "U13" at 219.166,179.5 h0.24; PIN_NUMBER "V13" at 219.166,178.5 h0.24; PIN_NUMBER "R12" at 218.166,181.5 h0.24; PIN_NUMBER "T12" at 218.166,180.5 h0.24; PIN_NUMBER "U12" at 218.166,179.5 h0.24; PIN_NUMBER "V16" at 222.166,178.5 h0.24; PIN_NUMBER "V8" at 213.854,178.5 h0.24; PIN_NUMBER "R9" at 214.854,181.5 h0.24; PIN_NUMBER "T11" at 217.166,180.5 h0.24; PIN_NUMBER "U11" at 217.166,179.5 h0.24; PIN_NUMBER "V11" at 217.166,178.5 h0.24; PIN_NUMBER "R10" at 215.936,181.5 h0.24; PIN_NUMBER "T10" at 215.936,180.5 h0.24; PIN_NUMBER "U10" at 215.936,179.5 h0.24; PIN_NUMBER "V10" at 215.936,178.5 h0.24; PIN_NUMBER "T9" at 214.854,180.5 h0.24; PIN_NUMBER "U9" at 214.854,179.5 h0.24; PIN_NUMBER "V9" at 214.854,178.5 h0.24; PIN_NUMBER "R8" at 213.854,181.5 h0.24; PIN_NUMBER "T8" at 213.854,180.5 h0.24; PIN_NUMBER "U8" at 213.854,179.5 h0.24; PIN_NUMBER "R11" at 217.166,181.5 h0.24; PIN_NUMBER "A3" at 208.854,195.5 h0.24; PIN_NUMBER "D5" at 210.854,192.5 h0.24; PIN_NUMBER "C7" at 212.854,193.5 h0.24; PIN_NUMBER "B7" at 212.854,194.5 h0.24; PIN_NUMBER "A7" at 212.854,195.5 h0.24; PIN_NUMBER "D6" at 211.854,192.5 h0.24; PIN_NUMBER "C6" at 211.854,193.5 h0.24; PIN_NUMBER "B6" at 211.854,194.5 h0.24; PIN_NUMBER "A6" at 211.854,195.5 h0.24; PIN_NUMBER "C5" at 210.854,193.5 h0.24; PIN_NUMBER "B5" at 210.854,194.5 h0.24; PIN_NUMBER "A5" at 210.854,195.5 h0.24; PIN_NUMBER "C4" at 209.854,193.5 h0.24; PIN_NUMBER "B4" at 209.854,194.5 h0.24; PIN_NUMBER "A4" at 209.854,195.5 h0.24; PIN_NUMBER "D7" at 212.854,192.5 h0.24; PIN_NUMBER "V6" at 211.854,178.5 h0.24; PIN_NUMBER "R7" at 212.854,181.5 h0.24; PIN_NUMBER "T5" at 210.854,180.5 h0.24; PIN_NUMBER "U5" at 210.854,179.5 h0.24; PIN_NUMBER "V5" at 210.854,178.5 h0.24; PIN_NUMBER "T4" at 209.854,180.5 h0.24; PIN_NUMBER "U4" at 209.854,179.5 h0.24; PIN_NUMBER "V4" at 209.854,178.5 h0.24; PIN_NUMBER "V3" at 208.854,178.5 h0.24; PIN_NUMBER "T7" at 212.854,180.5 h0.24; PIN_NUMBER "U7" at 212.854,179.5 h0.24; PIN_NUMBER "V7" at 212.854,178.5 h0.24; PIN_NUMBER "R6" at 211.854,181.5 h0.24; PIN_NUMBER "T6" at 211.854,180.5 h0.24; PIN_NUMBER "U6" at 211.854,179.5 h0.24; PIN_NUMBER "R5" at 210.854,181.5 h0.24; PIN_NUMBER "C15" at 221.166,193.5 h0.24; PIN_NUMBER "B15" at 221.166,194.5 h0.24; PIN_NUMBER "A15" at 221.166,195.5 h0.24; PIN_NUMBER "B16" at 222.166,194.5 h0.24; PIN_NUMBER "A16" at 222.166,195.5 h0.24; PIN_NUMBER "A17" at 223.166,195.5 h0.24; PIN_NUMBER "A18" at 224.166,195.5 h0.24; PIN_NUMBER "B17" at 223.166,194.5 h0.24; PIN_NUMBER "H16" at 222.166,188.5 h0.24; PIN_NUMBER "H15" at 221.166,188.5 h0.24; PIN_NUMBER "B12" at 218.166,194.5 h0.24; PIN_NUMBER "C12" at 218.166,193.5 h0.24; PIN_NUMBER "A12" at 218.166,195.5 h0.24; PIN_NUMBER "D13" at 219.166,192.5 h0.24; PIN_NUMBER "F17" at 223.166,190.5 h0.24; PIN_NUMBER "F18" at 224.166,190.5 h0.24; PIN_NUMBER "D17" at 223.166,192.5 h0.24; PIN_NUMBER "D18" at 224.166,192.5 h0.24; PIN_NUMBER "E16" at 222.166,191.5 h0.24; PIN_NUMBER "E17" at 223.166,191.5 h0.24; PIN_NUMBER "L12" at 218.166,185.5 h0.24; PIN_NUMBER "L13" at 219.166,185.5 h0.24; PIN_NUMBER "L14" at 220.166,185.5 h0.24; PIN_NUMBER "L17" at 223.166,185.5 h0.24; PIN_NUMBER "L18" at 224.166,185.5 h0.24; PIN_NUMBER "J12" at 218.166,187.5 h0.24; PIN_NUMBER "J13" at 219.166,187.5 h0.24; PIN_NUMBER "J14" at 220.166,187.5 h0.24; PIN_NUMBER "H17" at 223.166,188.5 h0.24; PIN_NUMBER "H18" at 224.166,188.5 h0.24; PIN_NUMBER "G12" at 218.166,189.5 h0.24; PIN_NUMBER "G13" at 219.166,189.5 h0.24; PIN_NUMBER "G14" at 220.166,189.5 h0.24; PIN_NUMBER "F13" at 219.166,190.5 h0.24; PIN_NUMBER "F14" at 220.166,190.5 h0.24; PIN_NUMBER "E14" at 220.166,191.5 h0.24; PIN_NUMBER "E9" at 214.854,191.5 h0.24; PIN_NUMBER "F9" at 214.854,190.5 h0.24; PIN_NUMBER "F11" at 217.166,190.5 h0.24; PIN_NUMBER "E11" at 217.166,191.5 h0.24; PIN_NUMBER "F12" at 218.166,190.5 h0.24; PIN_NUMBER "E12" at 218.166,191.5 h0.24; PIN_NUMBER "E13" at 219.166,191.5 h0.24; PIN_NUMBER "P5" at 210.854,182.5 h0.24; PIN_NUMBER "N5" at 210.854,183.5 h0.24; PIN_NUMBER "M5" at 210.854,184.5 h0.24; PIN_NUMBER "M7" at 212.854,184.5 h0.24; PIN_NUMBER "K5" at 210.854,186.5 h0.24; PIN_NUMBER "K7" at 212.854,186.5 h0.24; PIN_NUMBER "H5" at 210.854,188.5 h0.24; PIN_NUMBER "H7" at 212.854,188.5 h0.24; PIN_NUMBER "N7" at 212.854,183.5 h0.24; PIN_NUMBER "P7" at 212.854,182.5 h0.24; PIN_NUMBER "N8" at 213.854,183.5 h0.24; PIN_NUMBER "P8" at 213.854,182.5 h0.24; PIN_NUMBER "P10" at 215.936,182.5 h0.24; PIN_NUMBER "N10" at 215.936,183.5 h0.24; PIN_NUMBER "N6" at 211.854,183.5 h0.24; PIN_NUMBER "M6" at 211.854,184.5 h0.24; PIN_NUMBER "K6" at 211.854,186.5 h0.24; PIN_NUMBER "H6" at 211.854,188.5 h0.24; PIN_NUMBER "P6" at 211.854,182.5 h0.24; PIN_NUMBER "D12" at 218.166,192.5 h0.24; PIN_NUMBER "G15" at 221.166,189.5 h0.24; PIN_NUMBER "M15" at 221.166,184.5 h0.24; PIN_NUMBER "G18" at 224.166,189.5 h0.24; PIN_NUMBER "R15" at 221.166,181.5 h0.24; PIN_NUMBER "P15" at 221.166,182.5 h0.24; PIN_NUMBER "J15" at 221.166,187.5 h0.24; PIN_NUMBER "F15" at 221.166,190.5 h0.24; PIN_NUMBER "E15" at 221.166,191.5 h0.24; PIN_NUMBER "D15" at 221.166,192.5 h0.24; PIN_NUMBER "V17" at 223.166,178.5 h0.24; PIN_NUMBER "U16" at 222.166,179.5 h0.24; PIN_NUMBER "M3" at 208.854,184.5 h0.24; PIN_NUMBER "M1" at 206.624,184.5 h0.24; PIN_NUMBER "R4" at 209.854,181.5 h0.24; PIN_NUMBER "N2" at 207.854,183.5 h0.24; PIN_NUMBER "F3" at 208.854,190.5 h0.24; PIN_NUMBER "D1" at 206.624,192.5 h0.24; PIN_NUMBER "D4" at 209.854,192.5 h0.24; PIN_NUMBER "D3" at 208.854,192.5 h0.24; PIN_NUMBER "C3" at 208.854,193.5 h0.24; PIN_NUMBER "C2" at 207.854,193.5 h0.24; PIN_NUMBER "C1" at 206.624,193.5 h0.24; PIN_NUMBER "B3" at 208.854,194.5 h0.24; PIN_NUMBER "B2" at 207.854,194.5 h0.24; PIN_NUMBER "V2" at 207.854,178.5 h0.24; PIN_NUMBER "V1" at 206.624,178.5 h0.24; PIN_NUMBER "B1" at 206.624,194.5 h0.24; PIN_NUMBER "U3" at 208.854,179.5 h0.24; PIN_NUMBER "U2" at 207.854,179.5 h0.24; PIN_NUMBER "U1" at 206.624,179.5 h0.24; PIN_NUMBER "T3" at 208.854,180.5 h0.24; PIN_NUMBER "T2" at 207.854,180.5 h0.24; PIN_NUMBER "T1" at 206.624,180.5 h0.24; PIN_NUMBER "R2" at 207.854,181.5 h0.24; PIN_NUMBER "R1" at 206.624,181.5 h0.24; PIN_NUMBER "P4" at 209.854,182.5 h0.24; PIN_NUMBER "P3" at 208.854,182.5 h0.24; PIN_NUMBER "A2" at 207.854,195.5 h0.24; PIN_NUMBER "P2" at 207.854,182.5 h0.24; PIN_NUMBER "P1" at 206.624,182.5 h0.24; PIN_NUMBER "N4" at 209.854,183.5 h0.24; PIN_NUMBER "N3" at 208.854,183.5 h0.24; PIN_NUMBER "F2" at 207.854,190.5 h0.24; PIN_NUMBER "F1" at 206.624,190.5 h0.24; PIN_NUMBER "E4" at 209.854,191.5 h0.24; PIN_NUMBER "E3" at 208.854,191.5 h0.24; PIN_NUMBER "E2" at 207.854,191.5 h0.24; PIN_NUMBER "E1" at 206.624,191.5 h0.24; PIN_NUMBER "A1" at 206.624,195.5 h0.24; PIN_NUMBER "R3" at 208.854,181.5 h0.24; PIN_NUMBER "N1" at 206.624,183.5 h0.24; PIN_NUMBER "F4" at 209.854,190.5 h0.24; PIN_NUMBER "D2" at 207.854,192.5 h0.24; PIN_NUMBER "J4" at 209.854,187.5 h0.24; PIN_NUMBER "J3" at 208.854,187.5 h0.24; PIN_NUMBER "M4" at 209.854,184.5 h0.24; PIN_NUMBER "J1" at 206.624,187.5 h0.24; PIN_NUMBER "J2" at 207.854,187.5 h0.24; PIN_NUMBER "M2" at 207.854,184.5 h0.24; PIN_NUMBER "G1" at 206.624,189.5 h0.24; PIN_NUMBER "G2" at 207.854,189.5 h0.24; PIN_NUMBER "K4" at 209.854,186.5 h0.24; PIN_NUMBER "H2" at 207.854,188.5 h0.24; PIN_NUMBER "L1" at 206.624,185.5 h0.24; PIN_NUMBER "H1" at 206.624,188.5 h0.24; PIN_NUMBER "L2" at 207.854,185.5 h0.24; PIN_NUMBER "G4" at 209.854,189.5 h0.24; PIN_NUMBER "L3" at 208.854,185.5 h0.24; PIN_NUMBER "G3" at 208.854,189.5 h0.24; PIN_NUMBER "L4" at 209.854,185.5 h0.24; PIN_NUMBER "K1" at 206.624,186.5 h0.24; PIN_NUMBER "H4" at 209.854,188.5 h0.24; PIN_NUMBER "K3" at 208.854,186.5 h0.24; PIN_NUMBER "H3" at 208.854,188.5 h0.24; PIN_NUMBER "K2" at 207.854,186.5 h0.24